# Altium PCB DD2088PoE_Daisy_Chain.PcbDoc (part 2 of 6) (continued)
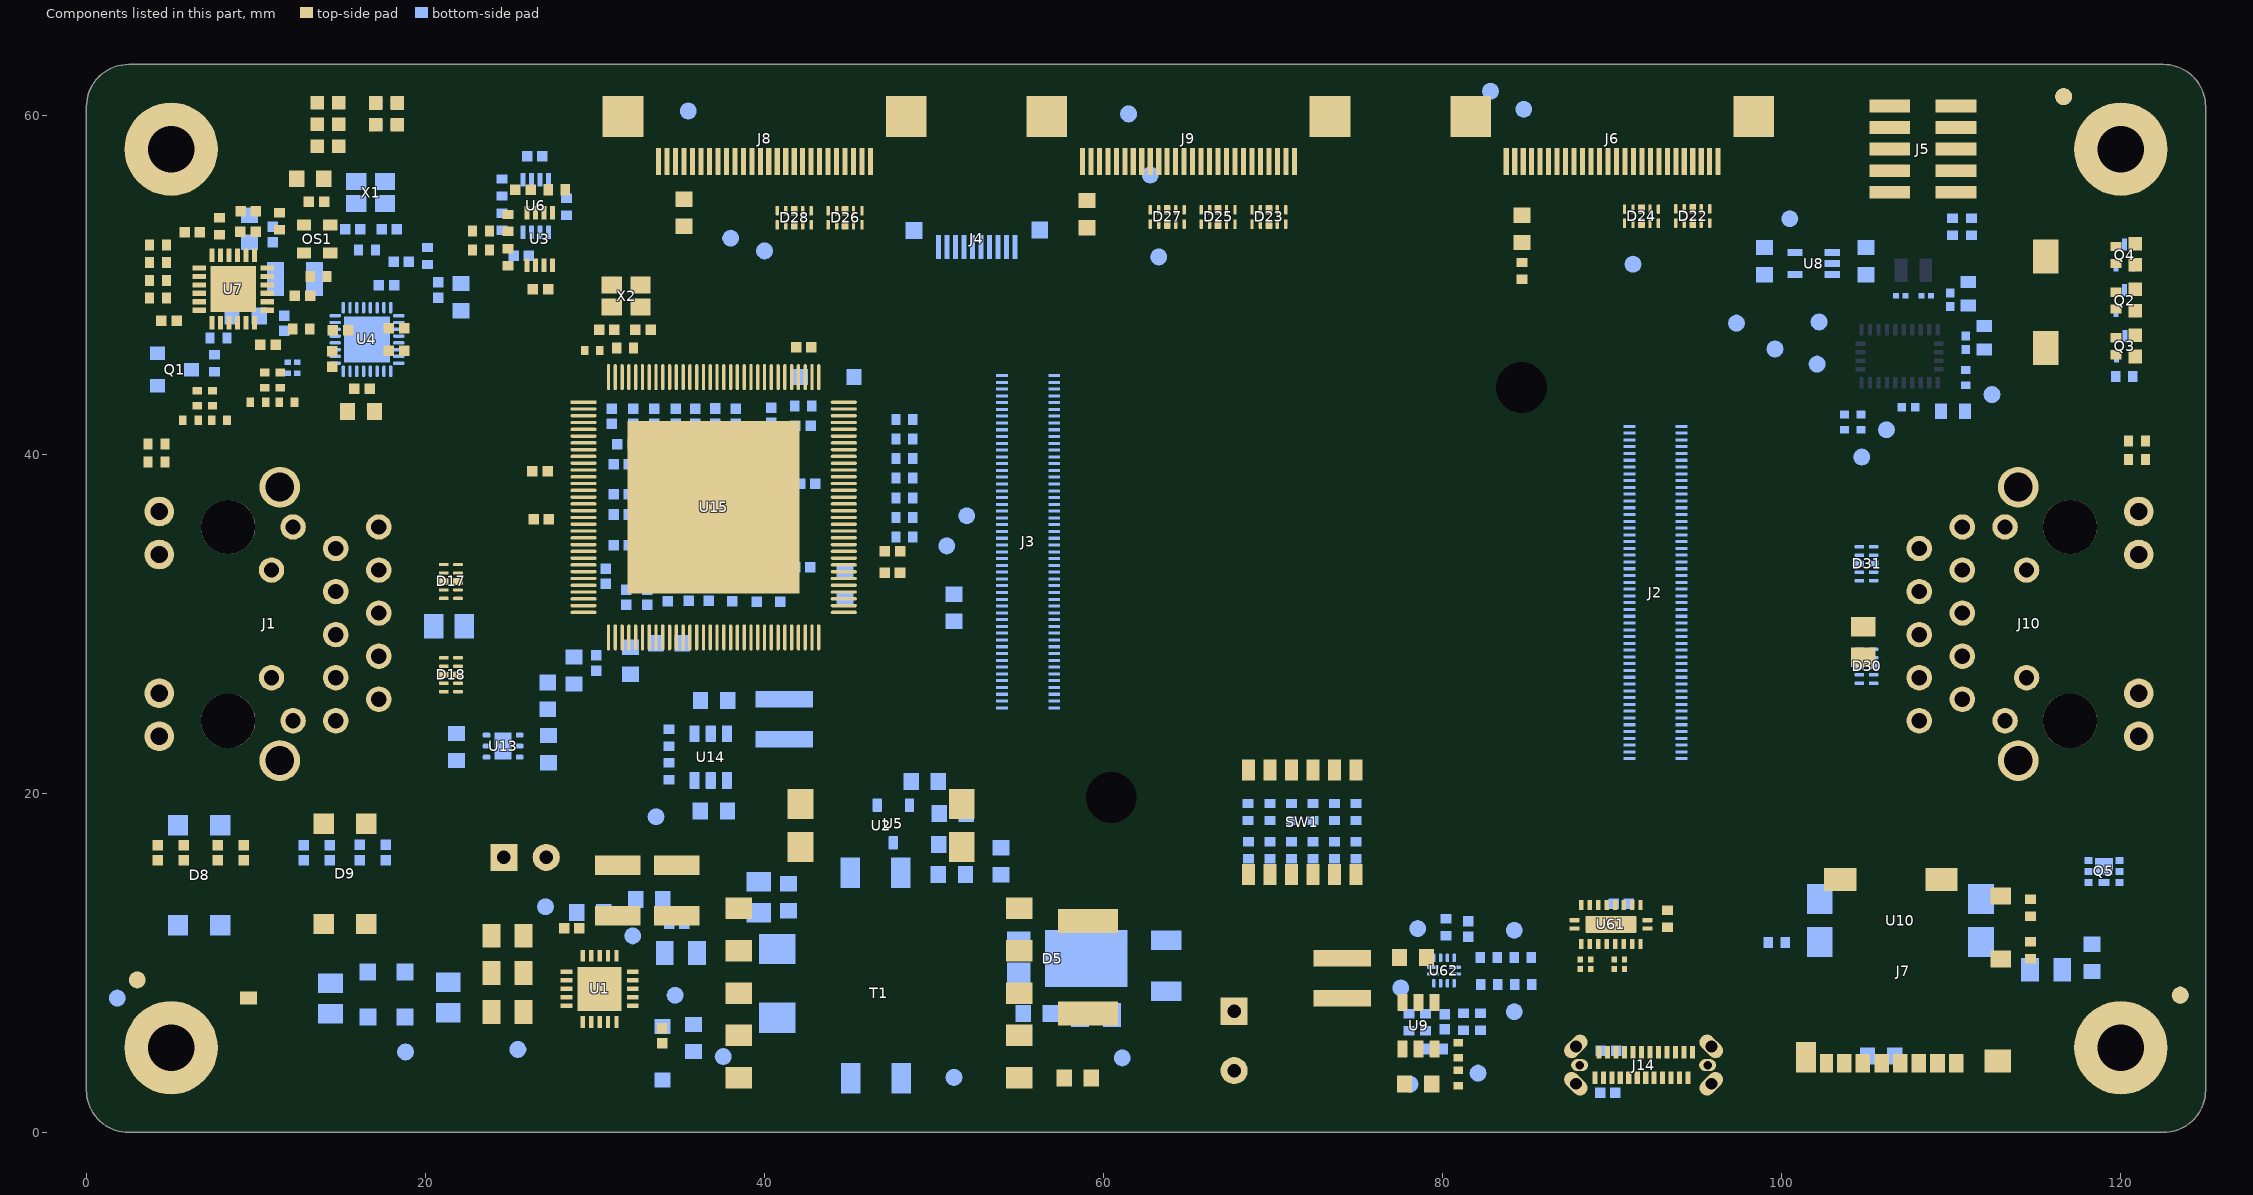
[diagram p6: the components of this part, seen from the top]
## Part data (continued)
D6: library part SML-D12U8WT86, "LED RED DIFFUSED 0603 SMD Red 620nm LED Indication - Discrete 2.2V 0603 (1608 Metric)", Case Code (Imperial)=0603, Case Code (Metric)=1608, Color=Red, Forward Current=20mA, Forward Voltage=2.2V, Lens Color=White,Clear,Diffused, Manufacturer 1=Rohm, Max Operating Temperature=85°C, Min Operating Temperature=-40°C, Package Quantity=1, Supplier Part Number 1=511-1580-1-ND, Case/Package=0603, ComponentLink1Description=https://datasheet.ciiva.com/11774/0900766b80df3ada-11774020.pdf?src-supplier=RSComponents, ComponentLink1URL=https://datasheet.ciiva.com/11774/0900766b80df3ada-11774020.pdf?src-supplier=RSComponents, ComponentLink2Description=https://datasheet.ciiva.com/2110/sml-d1-2110375.pdf?src-supplier=Digi-Key, ComponentLink2URL=https://datasheet.ciiva.com/2110/sml-d1-2110375.pdf?src-supplier=Digi-Key, ComponentLink3Description=https://datasheet.ciiva.com/2110/sml-d1-2110376.pdf?src-supplier=Digi-Key, ComponentLink3URL=https://datasheet.ciiva.com/2110/sml-d1-2110376.pdf?src-supplier=Digi-Key, ComponentLink4Description=https://datasheet.ciiva.com/2110/sml-d1-2110377.pdf?src-supplier=Digi-Key, ComponentLink4URL=https://datasheet.ciiva.com/2110/sml-d1-2110377.pdf?src-supplier=Digi-Key, ComponentLink5Description=https://datasheet.ciiva.com/9324/sml-d1-9324826.pdf?src-supplier=Avnet, ComponentLink5URL=https://datasheet.ciiva.com/9324/sml-d1-9324826.pdf?src-supplier=Avnet, ComponentLink6Description=https://datasheet.ciiva.com/17420/sml-d1-17420939.pdf?src-supplier=Avnet+Europe, ComponentLink6URL=https://datasheet.ciiva.com/17420/sml-d1-17420939.pdf?src-supplier=Avnet+Europe, Dominant Wavelength=620nm, Height=0.65mm, Illumination Color=Red, Lead Free="Lead Free", Length=1.6mm, Lens Style=Rectangular,Diffused,Colorless, Lens Transparency=Diffused, Luminous Intensity=63mcd, Manufacturer Part Number 1=SML-D12U8WT86, Mount="Surface Mount", Number of LEDs=1, Number of Pins=2, Packaging="Tape and Reel", Pricing 1="1=0.33000, 10=0.23900, 100=0.11340, 500=0.07560, 1000=0.05922 (USD)", Radiation Hardening=No, REACH SVHC="No SVHC", RoHS=Yes, Stock 1=63748, Supplier 1=Digi-Key, Test Current=20mA, Viewing Angle=160°, Wavelength=620nm, Width=0.8mm
D8 D9: "CD-HD0x Series Schottky Bridge Rectifier Diode 100V 4-Pin Surface Mount T/R", Average Rectified Current=1A, Manufacturer 1=Bourns, Max Operating Temperature=125°C, Min Operating Temperature=-55°C, Supplier Part Number 1=CD-HD01CT-ND, ComponentLink1Description=http://www.farnell.com/datasheets/2176057.pdf?src-supplier=Farnell, ComponentLink1URL=http://www.farnell.com/datasheets/2176057.pdf?src-supplier=Farnell, ComponentLink2Description=https://www.bourns.com/docs/Product-Datasheets/cd-hd0x.pdf?src-supplier=Digi-Key, ComponentLink2URL=https://www.bourns.com/docs/Product-Datasheets/cd-hd0x.pdf?src-supplier=Digi-Key, Manufacturer Part Number 1=CD-HD01, Mount="Surface Mount", Packaging="Tape and Reel", Pricing 1="1=0.67000, 10=0.57800, 100=0.43120, 500=0.33880, 1000=0.26180, 2000=0.23870 (USD)", RoHS=Yes, RoHS Compliant=Yes, Stock 1=5000, Supplier 1=Digi-Key, Supplier 2=Mouser, Supplier Part Number 2=652-CD-HD01
D17 D18 D22 D23 D24 D25 D26 D27 D28 D30 D31: "TVS DIODE 3.6V 8.8V 10USON 8.8V (Typ) Clamp 5A (8/20µs) Ipp Tvs Diode Surface Mount 10-USON (2.5x1)", Clamping Voltage=8.8V, Manufacturer 1="Texas Instruments", Max Operating Temperature=125°C, Min Breakdown Voltage=5.5V, Min Operating Temperature=-40°C, Operating Supply Voltage=3.6V, Peak Pulse Current=5A, Peak Pulse Power=17W, Power Line Protection=No, Supplier Part Number 1=296-43875-1-ND, ComponentLink1Description=http://www.ti.com/general/docs/lit/getliterature.tsp?genericPartNumber=TPD4E02B04&amp;&amp;fileType=pdf&src-supplier=Element14, ComponentLink1URL=http://www.ti.com/general/docs/lit/getliterature.tsp?genericPartNumber=TPD4E02B04&amp;&amp;fileType=pdf&src-supplier=Element14, ComponentLink2Description=http://www.ti.com/lit/ds/symlink/tpd4e02b04.pdf?src-supplier=Farnell, ComponentLink2URL=http://www.ti.com/lit/ds/symlink/tpd4e02b04.pdf?src-supplier=Farnell, ComponentLink3Description=http://www.ti.com/lit/ds/symlink/tpd4e02b04.pdf?src-supplier=Newark, ComponentLink3URL=http://www.ti.com/lit/ds/symlink/tpd4e02b04.pdf?src-supplier=Newark, ComponentLink4Description=http://www.ti.com/lit/ds/symlink/tpd4e02b04.pdf?src-supplier=Digi-Key, ComponentLink4URL=http://www.ti.com/lit/ds/symlink/tpd4e02b04.pdf?src-supplier=Digi-Key, Composition=Zener, Interface=USB,HDMI, Lead Free="Lead Free", Manufacturer Part Number 1=TPD4E02B04DQAR, Mount="Surface Mount", Number of Bidirectional Channels=4, Number of Channels=4, Number of Pins=10, Packaging="Cut Tape", Pricing 1="1=0.69000, 10=0.60800, 100=0.46650, 500=0.36874, 1000=0.29499 (USD)", REACH SVHC="No SVHC", Reverse Standoff Voltage=3.6V, RoHS=Yes, Stock 1=25615, Supplier 1=Digi-Key
FB1 FB4 FB5: library part BK1608HS800-T, "FERRITE BEAD 80 OHM 0603 1LN", Case Code (Imperial)=0603, Case Code (Metric)=1608, DC Resistance (DCR)=100mR, Frequency=100MHz, Manufacturer 1="Taiyo Yuden", Max Current Rating=600mA, Max Operating Temperature=125°C, Min Operating Temperature=-55°C, Package Quantity=1, Supplier Part Number 1=587-1875-1-ND, Tolerance=25%, Case/Package=0603, ComponentLink1Description=https://datasheet.ciiva.com/1011/bk1608hs800-t-ss-1011885.pdf?src-supplier=Digi-Key, ComponentLink1URL=https://datasheet.ciiva.com/1011/bk1608hs800-t-ss-1011885.pdf?src-supplier=Digi-Key, ComponentLink2Description=https://datasheet.ciiva.com/1011/mlci07-e-1011886.pdf?src-supplier=Digi-Key, ComponentLink2URL=https://datasheet.ciiva.com/1011/mlci07-e-1011886.pdf?src-supplier=Digi-Key, ComponentLink3Description=https://datasheet.ciiva.com/1011/mlci07-e-1011887.pdf?src-supplier=Digi-Key, ComponentLink3URL=https://datasheet.ciiva.com/1011/mlci07-e-1011887.pdf?src-supplier=Digi-Key, Core Material=Ferrite, Depth=0.95mm, Halogen Free="Halogen Free", Height=0.037inch, Impedance=80R, Lead Free="Lead Free", Length=0.063inch, Manufacturer Part Number 1=BK1608HS800-T, Max DC Current=600mA, Mount="Surface Mount", Number of Lines=1, Number of Pins=2, Packaging="Tape and Reel", Pricing 1="1=0.10000, 10=0.07900, 25=0.07200, 50=0.06480, 100=0.04760, 250=0.03460, 500=0.03170, 1000=0.02738 (USD)", REACH SVHC=Unknown, RoHS=Yes, Shielding=Shielded, Stock 1=6285, Supplier 1=Digi-Key, Supplier 2=Mouser, Supplier 3=Arrow, Supplier Part Number 2=963-BK1608HS800-T, Supplier Part Number 3=BK1608HS800-T, Termination=SMD/SMT, Test Frequency=100MHz, Width=0.8mm
FB2 FB3: library part 742792040, "FERRITE BEAD 600 OHM 0805 1LN", Case Code (Imperial)=0805, Case Code (Metric)=2012, Case/Package=SMD/SMT, Current Rating=2A, DC Resistance (DCR)=150mR, Inductance=5.6H, Manufacturer 1="Wurth Electronics", Max Operating Temperature=125°C, Min Operating Temperature=-55°C, Package Quantity=1, Supplier Part Number 1=70996355, Test Frequency=100MHz, Tolerance=25%, ComponentLink1Description=https://datasheet.ciiva.com/4940/742792040-80980-4940454.pdf?src-supplier=Mouser, ComponentLink1URL=https://datasheet.ciiva.com/4940/742792040-80980-4940454.pdf?src-supplier=Mouser, ComponentLink2Description=https://datasheet.ciiva.com/1560/742792040-1560864.pdf?src-supplier=Newark, ComponentLink2URL=https://datasheet.ciiva.com/1560/742792040-1560864.pdf?src-supplier=Newark, ComponentLink3Description=https://datasheet.ciiva.com/1013/742792040-1013539.pdf?src-supplier=Digi-Key, ComponentLink3URL=https://datasheet.ciiva.com/1013/742792040-1013539.pdf?src-supplier=Digi-Key, ComponentLink4Description=https://datasheet.ciiva.com/11799/0900766b80d2dd7f-11799667.pdf?src-supplier=RSComponents, ComponentLink4URL=https://datasheet.ciiva.com/11799/0900766b80d2dd7f-11799667.pdf?src-supplier=RSComponents, ComponentLink5Description=https://datasheet.ciiva.com/22711/1756153-22711349.pdf?src-supplier=Element14, ComponentLink5URL=https://datasheet.ciiva.com/22711/1756153-22711349.pdf?src-supplier=Element14, ComponentLink6Description=https://datasheet.ciiva.com/1013/742792040-1013541.pdf?src-supplier=Digi-Key, ComponentLink6URL=https://datasheet.ciiva.com/1013/742792040-1013541.pdf?src-supplier=Digi-Key, ComponentLink7Description=https://datasheet.ciiva.com/1013/742792040-1013540.pdf?src-supplier=Digi-Key, ComponentLink7URL=https://datasheet.ciiva.com/1013/742792040-1013540.pdf?src-supplier=Digi-Key, ComponentLink8Description=https://datasheet.ciiva.com/1126/1756153-1126571.pdf?src-supplier=Element14, ComponentLink8URL=https://datasheet.ciiva.com/1126/1756153-1126571.pdf?src-supplier=Element14, Core Material=Ferrite, Depth=1.2mm, Height=0.9mm, Impedance=600R, Lead Free="Lead Free", Length=2mm, Manufacturer Part Number 1=742792040, Material=Ferrite, Max Current Rating=2A, Max DC Current=2A, Mount="Surface Mount", Number of Lines=1, Packaging="Tape and Reel", Pricing 1="1=0.10100, 50=0.09600, 100=0.08600, 250=0.08100, 500=0.07600 (USD)", REACH SVHC=Unknown, RoHS=Yes, Stock 1=50, Supplier 1="Allied Electronics", Supplier 2=Mouser, Supplier 3=Newark, Supplier Part Number 2=710-742792040, Supplier Part Number 3=08P2371, Termination=SMD/SMT, Weight=0.000388oz, Width=0.047inch
FID1 FID2 FID3 FID4 FID5 FID6: library part FIDUCIAL, "Fiducial with various available footprints"
J1 J10: library part TRJG0926HENL, "CONN MAGJACK 1PORT 1000 BASET", Manufacturer 1=Trxcom, Manufacturer Part Number 1=TRJG0926HENL, Supplier 1=Trxcom, Supplier Part Number 1=TRJG0926HENL, System=Connector
J2: library part DF40HC(3.0)-100DS-0.4V_BW2098_A, "CONN RCPT 100POS 0.4MM SMD GOLD BW2098_A Receptacle", Manufacturer 1=Hirose, Manufacturer Part Number 1=DF40HC(3.0)-100DS-0.4V(58, Manufacturer Part Number 2=DF40HC(3.0)-100DS-0.4V(58), Package Quantity=1000, Supplier Part Number 1=798-DF40HC30100DS451, ComponentLink1Description=https://datasheet.ciiva.com/46636/ed-df40-20140305-46636517.pdf?src-supplier=Digi-Key, ComponentLink1URL=https://datasheet.ciiva.com/46636/ed-df40-20140305-46636517.pdf?src-supplier=Digi-Key, ComponentLink2Description=https://datasheet.ciiva.com/18562/ed-df40-20140305-18562189.pdf?src-supplier=Digi-Key, ComponentLink2URL=https://datasheet.ciiva.com/18562/ed-df40-20140305-18562189.pdf?src-supplier=Digi-Key, ComponentLink3Description=https://datasheet.ciiva.com/13559/ed-df40-20140305-13559540.pdf?src-supplier=Mouser, ComponentLink3URL=https://datasheet.ciiva.com/13559/ed-df40-20140305-13559540.pdf?src-supplier=Mouser, ComponentLink4Description=https://datasheet.ciiva.com/18562/ed-df40-20140305-18562462.pdf?src-supplier=Digi-Key, ComponentLink4URL=https://datasheet.ciiva.com/18562/ed-df40-20140305-18562462.pdf?src-supplier=Digi-Key, Connector Type=Receptacle, Contact Plating=Gold, Lead Free="Lead Free", Manufacturer 2=Hirose, Mount="Surface Mount", Number of Positions=100, Number of Rows=2, Packaging="Tape and Reel", Pitch=0.016inch, Pricing 1="1=2.54000, 10=2.26000, 25=2.07000, 50=2.07000, 100=1.98000, 250=1.79000, 500=1.65000, 1000=1.41000, 3000=1.32000, 6000=1.23000, 10000=1.23000 (USD)", Pricing 2="1=2.50000, 10=2.40000, 25=2.10000, 50=2.10000, 100=2.00000, 250=1.76000, 500=1.71000, 1000=1.45000, 2000=1.36000, 5000=1.31000, 10000=1.31000 (USD)", RoHS=Yes, Stock 1=2172, Stock 2=2078, Supplier 1=Mouser, Supplier 2=Mouser, Supplier Part Number 2=798-DF40HC30100DS458, System=Connector
J3: library part DF40HC(3.0)-100DS-0.4V_BW2098_B, "CONN RCPT 100POS 0.4MM SMD GOLD BW2098_B Receptacle", Manufacturer 1=Hirose, Manufacturer Part Number 1=DF40HC(3.0)-100DS-0.4V(58, Manufacturer Part Number 2=DF40HC(3.0)-100DS-0.4V(58), Package Quantity=1000, Supplier Part Number 1=798-DF40HC30100DS451, ComponentLink1Description=https://datasheet.ciiva.com/46636/ed-df40-20140305-46636517.pdf?src-supplier=Digi-Key, ComponentLink1URL=https://datasheet.ciiva.com/46636/ed-df40-20140305-46636517.pdf?src-supplier=Digi-Key, ComponentLink2Description=https://datasheet.ciiva.com/18562/ed-df40-20140305-18562189.pdf?src-supplier=Digi-Key, ComponentLink2URL=https://datasheet.ciiva.com/18562/ed-df40-20140305-18562189.pdf?src-supplier=Digi-Key, ComponentLink3Description=https://datasheet.ciiva.com/13559/ed-df40-20140305-13559540.pdf?src-supplier=Mouser, ComponentLink3URL=https://datasheet.ciiva.com/13559/ed-df40-20140305-13559540.pdf?src-supplier=Mouser, ComponentLink4Description=https://datasheet.ciiva.com/18562/ed-df40-20140305-18562462.pdf?src-supplier=Digi-Key, ComponentLink4URL=https://datasheet.ciiva.com/18562/ed-df40-20140305-18562462.pdf?src-supplier=Digi-Key, Connector Type=Receptacle, Contact Plating=Gold, Lead Free="Lead Free", Manufacturer 2=Hirose, Mount="Surface Mount", Number of Positions=100, Number of Rows=2, Packaging="Tape and Reel", Pitch=0.016inch, Pricing 1="1=2.54000, 10=2.26000, 25=2.07000, 50=2.07000, 100=1.98000, 250=1.79000, 500=1.65000, 1000=1.41000, 3000=1.32000, 6000=1.23000, 10000=1.23000 (USD)", Pricing 2="1=2.50000, 10=2.40000, 25=2.10000, 50=2.10000, 100=2.00000, 250=1.76000, 500=1.71000, 1000=1.45000, 2000=1.36000, 5000=1.31000, 10000=1.31000 (USD)", RoHS=Yes, Stock 1=2172, Stock 2=2078, Supplier 1=Mouser, Supplier 2=Mouser, Supplier Part Number 2=798-DF40HC30100DS458, System=Connector
J4: library part SFV10R-2STE1HLF, "CONN FFC TOP 10POS 0.50MM R/A", Contact Resistance=30mR, Current Rating=500mA, Flammability Rating="UL94 V-0", Housing Color=Black, Insulation Resistance=100MR, Manufacturer 1="Amphenol FCI", Max Operating Temperature=105°C, Max Voltage Rating (AC)=50V, Min Operating Temperature=-55°C, Package Quantity=1, Supplier Part Number 1=609-4306-1-ND, Actuator Material=Glass,Polyphenylene, ComponentLink1Description=https://datasheet.ciiva.com/672/10112793-672039.pdf?src-supplier=Digi-Key, ComponentLink1URL=https://datasheet.ciiva.com/672/10112793-672039.pdf?src-supplier=Digi-Key, ComponentLink2Description=https://datasheet.ciiva.com/672/10112793-672040.pdf?src-supplier=Digi-Key, ComponentLink2URL=https://datasheet.ciiva.com/672/10112793-672040.pdf?src-supplier=Digi-Key, ComponentLink3Description=https://datasheet.ciiva.com/672/10112793-672041.pdf?src-supplier=Digi-Key, ComponentLink3URL=https://datasheet.ciiva.com/672/10112793-672041.pdf?src-supplier=Digi-Key, ComponentLink4Description=https://datasheet.ciiva.com/10368/10112793-10368361.pdf?src-supplier=Avnet, ComponentLink4URL=https://datasheet.ciiva.com/10368/10112793-10368361.pdf?src-supplier=Avnet, Contact Location=Top, Contact Material=Bronze, Contact Plating=Tin, Depth=4.9mm, Gender=Female, Housing Material=Polyamide, Lead Free="Lead Free", Length=10.5mm, Manufacturer Part Number 1=SFV10R-2STE1HLF, Max Voltage Rating (DC)=50V, Mount="Surface Mount", Number of Contacts=10, Number of Positions=10, Number of Rows=1, Orientation="Right Angle", Packaging="Tape and Reel", Pitch=0.5mm, Pricing 1="1=0.63000, 10=0.59300, 25=0.53360, 50=0.47420, 100=0.45440, 250=0.41488, 500=0.39512, 1000=0.32597 (USD)", Radiation Hardening=No, RoHS=Yes, Stock 1=78727, Supplier 1=Digi-Key, Supplier 2=Mouser, Supplier Part Number 2=649-SFV10R-2STE1HLF, System=Connector, Termination=Solder, Voltage Rating=50V, Wire/Cable Type=Straight
J5: "CONN HEADER SMD 10POS 1.27MM", Color=Black, Contact Resistance=30mR, Manufacturer 1="Amphenol FCI", Max Operating Temperature=85°C, Max Voltage Rating (AC)=125V, Min Operating Temperature=-40°C, Package Quantity=93, Supplier Part Number 1=609-6529-ND, ComponentLink1Description=https://datasheet.ciiva.com/18659/20021121-18659066.pdf?src-supplier=Digi-Key, ComponentLink1URL=https://datasheet.ciiva.com/18659/20021121-18659066.pdf?src-supplier=Digi-Key, ComponentLink2Description=https://datasheet.ciiva.com/10033/20021121-10033582.pdf?src-supplier=Avnet, ComponentLink2URL=https://datasheet.ciiva.com/10033/20021121-10033582.pdf?src-supplier=Avnet, Connector Type="Male Pin", Contact Material="Copper Alloy", Contact Mating Length=0.12inch, Contact Plating=Gold, Depth=3.4mm, Housing Color=Black, Housing Material=Thermoplastic, Length=6.35mm, Manufacturer Part Number 1=20021121-00010T1LF, Mount="Surface Mount", Number of Contacts=10, Number of Positions=10, Number of Rows=2, Orientation=Straight, Packaging=Rail/Tube, Pitch=1.27mm, Pricing 1="1=0.77000, 10=0.71800, 100=0.55040, 500=0.47860, 1000=0.39485, 5000=0.34699, 10000=0.32306 (USD)", RoHS=Yes, Row Spacing=0.05inch, Stock 1=1465, Supplier 1=Digi-Key, Supplier 2=Mouser, Supplier 3=TTI, Supplier Part Number 2=649-200211210010T1LF, Supplier Part Number 3=20021121-00010T1LF, Termination=Solder
J6 J8 J9: library part F32R-1A7H1-11026, "26 Position FFC, FPC Connector Contacts, Bottom 0.020\" (0.50mm) Surface Mount, Right Angle", Current Rating=500mA, Flammability Rating="UL94 V-0", Manufacturer 1="Amphenol ICC (FCI)", Max Operating Temperature=105°C, Min Operating Temperature=-40°C, Supplier Part Number 1=609-F32R-1A7H1-11026CT-ND, Voltage Rating=50V, Category=Connectors, ComponentLink1Description=https://cdn.amphenol-icc.com/media/wysiwyg/files/drawing/f32r-f32j.pdf, ComponentLink1URL=https://cdn.amphenol-icc.com/media/wysiwyg/files/drawing/f32r-f32j.pdf, Contact Material=Bronze, Contact Plating=Tin, Manufacturer Part Number 1=F32R-1A7H1-11026, Mount="Surface Mount", Number of Positions=26, Packaging="Tape and Reel", Pitch=0.02inch, Pricing 1="1=0.77, 10=0.721, 100=0.5529, 500=0.4808 (USD)", RoHS=Yes, Stock 1=1709, Supplier 1=Digi-Key, Termination=Solder
J7: library part 104031-0811, "CONN MICRO SD CARD PUSH-PULL R/A", Manufacturer 1=Molex, Supplier Part Number 1=WM6357CT-ND, Manufacturer Part Number 1=104031-0811, Pricing 1="1=2.02000, 10=1.82900, 25=1.71680, 50=1.64220, 100=1.56760, 250=1.41828, 500=1.30630, 1000=1.11969 (USD)", RoHS=No, Stock 1=19400, Supplier 1=Digi-Key, Supplier 2=Newark, Supplier 3=Mouser, Supplier Part Number 2=99R5410, Supplier Part Number 3=538-104031-0811
J14: library part CX80B1-24P, "CONN RCPT USB3.1 TYPEC 24POS SMD Vertical", Case/Package=0101, Current Rating=1.25A, Flammability Rating="UL94 V-0", Insulation Color=Black, Manufacturer 1="Hirose Electric Co Ltd", Max Operating Temperature=80°C, Min Operating Temperature=-30°C, Supplier Part Number 1=26-CX80B1-24PCT-ND, ComponentLink1Description="Product page", ComponentLink1URL=https://www.jae.com/en/connectors/series/detail/product/id=66513, ComponentLink2Description=Digikey, ComponentLink2URL=https://www.digikey.com/en/products/detail/jae-electronics/DX07S024WJ3R400/6594044, Connector Type=USB, Contact Material="Copper Alloy", Contact Plating=Gold, Features=Shielded, Gender=Receptacle, Housing Material=Thermoplastic, Length=8.94mm, Manufacturer Part Number 1=CX80B1-24P, Mating Cycles=10000, Mount="Surface Mount,Through Hole,Vertical", Number of Contacts=24, Number of Pins=24, Number of Ports=1, Number of Terminals=24, Orientation=Vertical, Packaging="Tape and Reel", Pitch=0.5mm, Pricing 1="1=2.15000, 10=1.94900, 25=1.82960, 50=1.75000, 100=1.67050, 250=1.51140, 500=1.39208 (USD)", REACH SVHC=Unknown, RoHS=Yes, Shielding=Shielded, Stock 1=939, Supplier 1=Digi-Key, Termination=Solder, USB Standard="USB 3.1"
L1: library part DO1608C-102ML, "IND POWER WIREWOUND 1uH 20% 100KHz FERRITE 2.7A", Case/Package=SMD/SMT, DC Resistance (DCR)=50mR, Inductance=1uH, Inductance Tolerance=20%, Manufacturer 1=Coilcraft, Manufacturer Part Number 1=DO1608C-102MLC, Max DC Current=2.7A, Max Operating Temperature=85°C, Min Operating Temperature=-40°C, Saturation Current=2.9A, Self Resonant Frequency=130MHz, Test Frequency=100kHz, ComponentLink1Description=https://datasheet.ciiva.com/22698/1681900-22698293.pdf?src-supplier=Element14, ComponentLink1URL=https://datasheet.ciiva.com/22698/1681900-22698293.pdf?src-supplier=Element14, ComponentLink2Description=https://datasheet.ciiva.com/22623/1681900-22623607.pdf?src-supplier=Element14, ComponentLink2URL=https://datasheet.ciiva.com/22623/1681900-22623607.pdf?src-supplier=Element14, ComponentLink3Description=https://datasheet.ciiva.com/13142/do1608c-13142540.pdf?src-supplier=Mouser, ComponentLink3URL=https://datasheet.ciiva.com/13142/do1608c-13142540.pdf?src-supplier=Mouser, Core Material=Ferrite, Height=2.92mm, Lead Free="Contains Lead", Length=6.6mm, Mount="Surface Mount", Packaging="Tape and Reel", Pricing 1="1=0.88000, 750=0.64000, 1500=0.49000, 3000=0.38000, 6000=0.31000 (USD)", REACH SVHC="No SVHC", RMS Current (Irms)=2.7A, RoHS=Yes, Stock 1=27185, Supplier 1="Coilcraft Direct", Supplier 2=Mouser, Supplier Part Number 1=DO1608C-102MLC, Supplier Part Number 2=994-DO1608C-102MLC, Termination=SMD/SMT, Tolerance=20%, Width=4.45mm
L2: library part LQH32NH2R2J23L, "FIXED IND 2.2UH 610MA 97MOHM SMD", Case/Package=Nonstandard, Current Rating=610mA, DC Resistance (DCR)=97mR, Inductance=2.2uH, Manufacturer 1=Murata, Max Operating Temperature=125°C, Min Operating Temperature=-40°C, Ratings=AEC-Q200, Self Resonant Frequency=75MHz, Supplier Part Number 1=490-17367-1-ND, Test Frequency=1MHz, Tolerance=5%, ComponentLink1Description=http://search.murata.co.jp/Ceramy/image/img/P02/JELF243A-9146.pdf?src-supplier=Digi-Key, ComponentLink1URL=http://search.murata.co.jp/Ceramy/image/img/P02/JELF243A-9146.pdf?src-supplier=Digi-Key, Composition=Wirewound, Core Material=Ferrite, Manufacturer Part Number 1=LQH32NH2R2J23L, Mount="Surface Mount", Packaging="Tape and Reel", Pricing 1="1=0.42000, 10=0.37400, 100=0.25740, 500=0.21998, 1000=0.16850 (USD)", RoHS=No, Shielding=Unshielded, Stock 1=1873, Supplier 1=Digi-Key, Supplier 2=Mouser, Supplier 3=Arrow, Supplier Part Number 2=81-LQH32NH2R2J23L, Supplier Part Number 3=LQH32NH2R2J23L
L3 L4: "INDUCTOR, 2.2UH, 5.5A,20%,52MHZ, REEL", Case/Package=SMD/SMT, DC Resistance (DCR)=38.7mR, Inductance=2.2uH, Inductance Tolerance=20%, Manufacturer 1=Coilcraft, Max DC Current=5.5A, Max Operating Temperature=125°C, Min Operating Temperature=-40°C, Package Quantity=1000, Saturation Current=5.6A, Self Resonant Frequency=52MHz, Supplier Part Number 1=994-XAL4020-222MEC, Test Frequency=100kHz, Category="Fixed Inductors", ComponentLink1Description=https://datasheet.ciiva.com/13277/xal4000-270751-13277338.pdf?src-supplier=Mouser, ComponentLink1URL=https://datasheet.ciiva.com/13277/xal4000-270751-13277338.pdf?src-supplier=Mouser, ComponentLink2Description=https://datasheet.ciiva.com/22680/1681987-22680732.pdf?src-supplier=Element14, ComponentLink2URL=https://datasheet.ciiva.com/22680/1681987-22680732.pdf?src-supplier=Element14, ComponentLink3Description=https://datasheet.ciiva.com/22680/1681987-22680733.pdf?src-supplier=Element14, ComponentLink3URL=https://datasheet.ciiva.com/22680/1681987-22680733.pdf?src-supplier=Element14, Core Material=Composite, Height=2.1mm, Lead Free="Contains Lead", Length=4.3mm, Manufacturer Part Number 1=XAL4020-222MEC, Mount="Surface Mount", Packaging="Tape and Reel", Pricing 1="1=1.68000, 100=1.37000, 250=1.03000, 500=0.62000, 1000=0.48000, 3000=0.41000 (USD)", REACH SVHC=Unknown, RMS Current (Irms)=5.5A, RoHS=Yes, RoHS Compliant=Yes, Series=XAL4020, Shielding=Shielded, Stock 1=45163, Supplier 1=Mouser, Termination=SMD/SMT, Tolerance=20%, Width=4.3mm
MH1 MH2: library part 9774030243R, "MP ROUND STANDOFF M2X0.4 STEEL 3MM", Manufacturer 1="Wurth Electronics", Supplier Part Number 1=732-7085-1-ND, ComponentLink1Description=http://www.mouser.com/ds/2/445/9774030243R-611455.pdf?src-supplier=Mouser, ComponentLink1URL=http://www.mouser.com/ds/2/445/9774030243R-611455.pdf?src-supplier=Mouser, ComponentLink2Description=http://www.farnell.com/datasheets/1960368.pdf?src-supplier=Farnell, ComponentLink2URL=http://www.farnell.com/datasheets/1960368.pdf?src-supplier=Farnell, ComponentLink3Description=https://katalog.we-online.de/em/datasheet/9774030243R.pdf?src-supplier=Digi-Key, ComponentLink3URL=https://katalog.we-online.de/em/datasheet/9774030243R.pdf?src-supplier=Digi-Key, ComponentLink4Description=http://www.farnell.com/datasheets/1960368.pdf?src-supplier=Newark, ComponentLink4URL=http://www.farnell.com/datasheets/1960368.pdf?src-supplier=Newark, ComponentLink5Description=http://www.farnell.com/datasheets/1960368.pdf?src-supplier=Element14, ComponentLink5URL=http://www.farnell.com/datasheets/1960368.pdf?src-supplier=Element14, Length=0.173inch, Manufacturer Part Number 1=9774030243R, Material=Steel, Outside Diameter=0.171inch, Plating=Tin, Pricing 1="1=0.95000, 10=0.91800, 50=0.79500, 100=0.73900 (USD)", REACH SVHC=Unknown, RoHS=Yes, Stock 1=20568, Supplier 1=Digi-Key, Supplier 2=Mouser, Supplier 3=Element14, Supplier Part Number 2=710-9774030243R, Supplier Part Number 3=2497599, Threaded/Unthreaded=Threaded
MP1 MP2 MP3 MP4: "=CurrentFootprint", B - Value="Not a Part", A - Level=0
NT1: library part Net_Tie, "Net tie Top/Bottom layer"
OS1: library part ASDMB-25.000MHZ-LC-T, "MEMS OSC XO 25.0000MHZ LVCMOS", Case/Package=SMD/SMT, Frequency=25MHz, Frequency Stability=50ppm, Load Capacitance=15pF, Manufacturer 1=Abracon, Max Operating Temperature=85°C, Max Supply Current=16mA, Max Supply Voltage=4V, Min Operating Temperature=-40°C, Min Supply Voltage=-300mV, Operating Supply Voltage=3.3V, Supplier Part Number 1=535-11730-1-ND, Category=Oscillators, ComponentLink1Description=https://datasheet.ciiva.com/868/asdmb-868249.pdf?src-supplier=Digi-Key, ComponentLink1URL=https://datasheet.ciiva.com/868/asdmb-868249.pdf?src-supplier=Digi-Key, ComponentLink2Description=https://datasheet.ciiva.com/868/asdmb-868250.pdf?src-supplier=Digi-Key, ComponentLink2URL=https://datasheet.ciiva.com/868/asdmb-868250.pdf?src-supplier=Digi-Key, ComponentLink3Description=https://datasheet.ciiva.com/868/asdmb-868251.pdf?src-supplier=Digi-Key, ComponentLink3URL=https://datasheet.ciiva.com/868/asdmb-868251.pdf?src-supplier=Digi-Key, ComponentLink4Description=https://datasheet.ciiva.com/13166/asdmb-29928-13166571.pdf?src-supplier=Mouser, ComponentLink4URL=https://datasheet.ciiva.com/13166/asdmb-29928-13166571.pdf?src-supplier=Mouser, Height=0.035inch, Lead Free="Lead Free", Length=0.098inch, Manufacturer Part Number 1=ASDMB-25.000MHZ-LC-T, Mount="Surface Mount", Number of Pins=4, Packaging="Tape and Reel", Pricing 1="1=2.09000, 10=1.99800, 50=1.95200, 100=1.67310, 500=1.62662 (USD)", RoHS=Yes, Stock 1=3088, Supplier 1=Digi-Key, Supplier 2=Newark, Supplier 3=Mouser, Supplier Part Number 2=56AC7555, Supplier Part Number 3=815-ASDMB-25MHZ-LC, Termination=SMD/SMT, Width=0.079inch
Q1: library part DDTC114YCA-7-F, "TRANS PREBIAS NPN 200MW SOT23-3", Case/Package=SOT-23-3, Collector Emitter Breakdown Voltage=50V, Continuous Collector Current=100mA, Manufacturer 1=Diodes, Max Operating Temperature=150°C, Max Power Dissipation=200mW, Min Operating Temperature=-55°C, Package Quantity=3000, Supplier Part Number 1=DDTC114YCA-FDICT-ND, Transition Frequency=250MHz, Category=BJTs, Collector Emitter Voltage (VCEO)=50V, ComponentLink1Description=https://datasheet.ciiva.com/16615/ds30330-16615737.pdf?src-supplier=Avnet+Europe, ComponentLink1URL=https://datasheet.ciiva.com/16615/ds30330-16615737.pdf?src-supplier=Avnet+Europe, Current Rating=100mA, Element Configuration=Single, Height=1mm, hFE Min=68, Lead Free="Lead Free", Length=3.05mm, Manufacturer Part Number 1=DDTC114YCA-7-F, Max Breakdown Voltage=50V, Max Collector Current=100mA, Max Output Current=100mA, Mount="Surface Mount", Number of Pins=3, Operating Supply Voltage=50V, Packaging="Tape and Reel", Polarity=NPN, Pricing 1="1=0.22000, 10=0.17900, 100=0.07320, 500=0.06106, 1000=0.04243 (USD)", Radiation Hardening=No, RoHS=Yes, Stock 1=18465, Supplier 1=Digi-Key, Supplier 2=Mouser, Supplier 3=Arrow, Supplier Part Number 2=621-DDTC114YCA-F, Supplier Part Number 3=DDTC114YCA-7-F, Voltage Rating (DC)=50V, Weight=0.000282oz, Width=1.4mm
Q2 Q3 Q4: "MOSFET N-CH 20V 0.2A EMT3", Case/Package=SOT-89, Continuous Drain Current (ID)=200mA, Drain to Source Voltage (Vdss)=20V, Input Capacitance=25pF, Manufacturer 1=Rohm, Max Power Dissipation=150mW, Supplier Part Number 1=RE1C002UNTCLCT-ND, ComponentLink1Description=http://www.mouser.com/ds/2/348/re1c002untcl-e-1018231.pdf?src-supplier=Mouser, ComponentLink1URL=http://www.mouser.com/ds/2/348/re1c002untcl-e-1018231.pdf?src-supplier=Mouser, ComponentLink2Description=http://rohmfs.rohm.com/en/techdata_basic/transistor/taping/EMT3_TL_taping.pdf?src-supplier=Digi-Key, ComponentLink2URL=http://rohmfs.rohm.com/en/techdata_basic/transistor/taping/EMT3_TL_taping.pdf?src-supplier=Digi-Key, ComponentLink3Description=http://rohmfs.rohm.com/en/products/databook/datasheet/discrete/transistor/mosfet/re1c002un.pdf?src-supplier=Avnet, ComponentLink3URL=http://rohmfs.rohm.com/en/products/databook/datasheet/discrete/transistor/mosfet/re1c002un.pdf?src-supplier=Avnet, ComponentLink4Description=https://www.rohm.com/datasheet/RE1C002UN/re1c002untcl-e?src-supplier=Digi-Key, ComponentLink4URL=https://www.rohm.com/datasheet/RE1C002UN/re1c002untcl-e?src-supplier=Digi-Key, ComponentLink5Description=http://www.farnell.com/datasheets/2704376.pdf?src-supplier=Newark, ComponentLink5URL=http://www.farnell.com/datasheets/2704376.pdf?src-supplier=Newark, ComponentLink6Description=http://www.farnell.com/datasheets/2704376.pdf?src-supplier=Farnell, ComponentLink6URL=http://www.farnell.com/datasheets/2704376.pdf?src-supplier=Farnell, ComponentLink7Description=http://www.farnell.com/datasheets/2704376.pdf?src-supplier=Element14, ComponentLink7URL=http://www.farnell.com/datasheets/2704376.pdf?src-supplier=Element14, Lead Free="Lead Free", Manufacturer Part Number 1=RE1C002UNTCL, Mount="Surface Mount", Packaging="Tape and Reel", Pricing 1="1=0.20000, 10=0.18200, 100=0.09930, 500=0.06112, 1000=0.04167 (USD)", Rds On Max=1.2R, RoHS=Yes, Stock 1=868886, Supplier 1=Digi-Key
Q5: "ON SEMICONDUCTOR - FDMA86265P - MOSFET-Transistor, p-Kanal, -1 A, -150 V, 0.86 ohm, -10 V, -3.2 V", Continuous Drain Current (ID)=1A, Drain to Source Resistance=860mR, Drain to Source Voltage (Vdss)=150V, Gate to Source Voltage (Vgs)=25V, Input Capacitance=210pF, Manufacturer 1="ON Semiconductor / Fairchild", Max Operating Temperature=150°C, Max Power Dissipation=900mW, Min Operating Temperature=-55°C, Package Quantity=3000, Supplier Part Number 1=FDMA86265PCT-ND, Category=MOSFETs, ComponentLink1Description=http://www.farnell.com/datasheets/2572513.pdf?src-supplier=Farnell, ComponentLink1URL=http://www.farnell.com/datasheets/2572513.pdf?src-supplier=Farnell, ComponentLink2Description=http://www.mouser.com/ds/2/149/FDMA86265P-1007518.pdf?src-supplier=Mouser, ComponentLink2URL=http://www.mouser.com/ds/2/149/FDMA86265P-1007518.pdf?src-supplier=Mouser, ComponentLink3Description=https://www.fairchildsemi.com/datasheets/FD/FDMA86265P.pdf?src-supplier=Avnet, ComponentLink3URL=https://www.fairchildsemi.com/datasheets/FD/FDMA86265P.pdf?src-supplier=Avnet, ComponentLink4Description=http://www.farnell.com/datasheets/2572513.pdf?src-supplier=Newark, ComponentLink4URL=http://www.farnell.com/datasheets/2572513.pdf?src-supplier=Newark, ComponentLink5Description=https://www.fairchildsemi.com/datasheets/FD/FDMA86265P.pdf?src-supplier=Digi-Key, ComponentLink5URL=https://www.fairchildsemi.com/datasheets/FD/FDMA86265P.pdf?src-supplier=Digi-Key, Element Configuration=Single, Fall Time=6.4ns, Manufacturer Part Number 1=FDMA86265P, Mount="Surface Mount", Number of Channels=1, Number of Pins=6, Packaging="Tape and Reel", Pricing 1="1=0.95000, 10=0.83500, 25=0.78440, 100=0.64010, 500=0.50600, 1000=0.40480 (USD)", Rds On Max=1.2R, Rise Time=2.2ns, RoHS=Yes, RoHS Compliant=Yes, Stock 1=1316, Supplier 1=Digi-Key, Supplier 2=Mouser, Supplier Part Number 2=512-FDMA86265P, Turn-Off Delay Time=8ns, Turn-On Delay Time=5.8ns, Weight=0.03g
R1 R6 R19 R20 R21 R22 R23 R25 R26 R28 R29 R30 R31 R32 R35 R37 R38 R39 R44 R45 R46 R49 R50 R62 R63 R82 R83 R89 R183 R185 R186 R213 R214 RZ28 RZ29: library part RC0402FR-1310KL, "RES SMD 10K OHM 1% 0402 1/16W Chip Resistor, 0402 [1005 Metric], 10 kohm, RC Series, 50 V, Thick Film, 62.5 mW", Case Code (Imperial)=0402, Case Code (Metric)=1005, Manufacturer 1=Yageo, Max Operating Temperature=155°C, Min Operating Temperature=-55°C, Power Rating=62.5mW, Resistance=10kR, Supplier Part Number 1=67R9960, Temperature Coefficient=100ppm/°C, Tolerance=1%, Voltage Rating=50V, Case/Package=0402, ComponentLink1Description=https://datasheet.ciiva.com/16940/pyu-rc0402-51-rohs-l-6-16940293.pdf?src-supplier=Avnet+Europe, ComponentLink1URL=https://datasheet.ciiva.com/16940/pyu-rc0402-51-rohs-l-6-16940293.pdf?src-supplier=Avnet+Europe, ComponentLink2Description=https://datasheet.ciiva.com/28386/pyu-rc0402-51-rohs-l-6-28386855.pdf?src-supplier=Avnet+Europe, ComponentLink2URL=https://datasheet.ciiva.com/28386/pyu-rc0402-51-rohs-l-6-28386855.pdf?src-supplier=Avnet+Europe, ComponentLink3Description=https://datasheet.ciiva.com/16740/pyu-rc0402-51-rohs-l-6-r-16740602.pdf?src-supplier=Future+Electronics, ComponentLink3URL=https://datasheet.ciiva.com/16740/pyu-rc0402-51-rohs-l-6-r-16740602.pdf?src-supplier=Future+Electronics, ComponentLink4Description=https://datasheet.ciiva.com/8891/pyu-rc0402-51-rohs-l-6-8891339.pdf?src-supplier=Avnet, ComponentLink4URL=https://datasheet.ciiva.com/8891/pyu-rc0402-51-rohs-l-6-8891339.pdf?src-supplier=Avnet, ComponentLink5Description=https://datasheet.ciiva.com/5557/pyu-rc0402-51-rohs-l-6-r-5557997.pdf?src-supplier=Mouser, ComponentLink5URL=https://datasheet.ciiva.com/5557/pyu-rc0402-51-rohs-l-6-r-5557997.pdf?src-supplier=Mouser, ComponentLink6Description=https://datasheet.ciiva.com/7983/1018594-7983533.pdf?src-supplier=Element14, ComponentLink6URL=https://datasheet.ciiva.com/7983/1018594-7983533.pdf?src-supplier=Element14, Composition="Thick Film", Contact Plating=Tin,Matte,Lead, Depth=0.5mm, Lead Free="Lead Free", Length=1mm, Manufacturer Part Number 1=RC0402FR-1310KL, Military Standard=Not, Number of Pins=2, Number of Terminations=2, Packaging="Tape and Reel", Pricing 1="1=0.10000, 25=0.01200, 100=0.00400, 250=0.00400, 500=0.00300, 1000=0.00300 (USD)", Radiation Hardening=No, REACH SVHC="No SVHC", RoHS=Yes, Stock 1=62239, Supplier 1=Newark, Termination=SMD/SMT, Voltage Rating (DC)=50V, Working Voltage=50V
  R6 R25 R26 R28 R29 R30 R35 R37 R38 R39 R44 R45 R46 R49 R50 R82 R83: Supplier 2="Future Electronics", Supplier 3=Mouser, Supplier 4=Element14, Supplier Part Number 2=RC0402FR-1310KL-CUTT, Supplier Part Number 3=603-RC0402FR-1310KL, Supplier Part Number 4=1799235
R2 R7 R9 R16 R53 R54 R55 R56 R60 R61 R90 R91 R92 R93 R94 R95 R96: library part RC0402FR-071KL, "RES SMD 1K OHM 1% 1/16W 0402 1 kOhms ±1% 0.063W, 1/16W Chip Resistor 0402 (1005 Metric) Moisture Resistant Thick Film", Case Code (Imperial)=0402, Case Code (Metric)=1005, Manufacturer 1=Yageo, Max Operating Temperature=155°C, Min Operating Temperature=-55°C, Power Rating=62.5mW, Resistance=1kR, Supplier Part Number 1=311-1.00KLRCT-ND, Temperature Coefficient=100ppm/°C, Tolerance=1%, Voltage Rating=50V, Case/Package=0402, ComponentLink1Description=https://datasheet.ciiva.com/11819/0900766b80c66297-11819477.pdf?src-supplier=RSComponents, ComponentLink1URL=https://datasheet.ciiva.com/11819/0900766b80c66297-11819477.pdf?src-supplier=RSComponents, ComponentLink2Description=https://datasheet.ciiva.com/12666/pyu-rc0402-51-rohs-l-6-r-12666741.pdf?src-supplier=Mouser, ComponentLink2URL=https://datasheet.ciiva.com/12666/pyu-rc0402-51-rohs-l-6-r-12666741.pdf?src-supplier=Mouser, ComponentLink3Description=https://datasheet.ciiva.com/17063/pyu-rc0402-51-rohs-l-6-r-17063193.pdf?src-supplier=Future+Electronics, ComponentLink3URL=https://datasheet.ciiva.com/17063/pyu-rc0402-51-rohs-l-6-r-17063193.pdf?src-supplier=Future+Electronics, ComponentLink4Description=https://datasheet.ciiva.com/22747/1018594-22747513.pdf?src-supplier=Element14, ComponentLink4URL=https://datasheet.ciiva.com/22747/1018594-22747513.pdf?src-supplier=Element14, ComponentLink5Description=https://datasheet.ciiva.com/7849/1018594-7849869.pdf?src-supplier=Element14, ComponentLink5URL=https://datasheet.ciiva.com/7849/1018594-7849869.pdf?src-supplier=Element14, ComponentLink6Description=https://datasheet.ciiva.com/7983/1018594-7983502.pdf?src-supplier=Element14, ComponentLink6URL=https://datasheet.ciiva.com/7983/1018594-7983502.pdf?src-supplier=Element14, ComponentLink7Description=https://datasheet.ciiva.com/7849/1018594-7849871.pdf?src-supplier=Element14, ComponentLink7URL=https://datasheet.ciiva.com/7849/1018594-7849871.pdf?src-supplier=Element14, Composition="Thick Film", Depth=0.5mm, Height=0.32mm, Lead Free="Lead Free", Length=1mm, Manufacturer Part Number 1=RC0402FR-071KL, Military Standard=Not, Number of Pins=2, Packaging="Tape and Reel", Pricing 1="1=0.10000, 10=0.01600, 100=0.00670, 1000=0.00301, 2500=0.00261, 5000=0.00215 (USD)", REACH SVHC=Unknown, RoHS=Yes, Stock 1=60695854, Supplier 1=Digi-Key, Termination=SMD/SMT, Voltage Rating (DC)=50V, Width=0.5mm
R3: library part CRCW060310R0FKEA, "RES SMD 10 OHM 1% 1/10W 0603", Case Code (Imperial)=0603, Case Code (Metric)=1608, Manufacturer 1=Vishay, Max Operating Temperature=155°C, Max Power Dissipation=100mW, Min Operating Temperature=-55°C, Package Quantity=10, Resistance=10R, Supplier Part Number 1=541-10.0HDKR-ND, Temperature Coefficient=100ppm/°C, Tolerance=1%, Voltage Rating=75V, Case/Package=0603, ComponentLink1Description=https://datasheet.ciiva.com/11808/0900766b80d98afc-11808660.pdf?src-supplier=RSComponents, ComponentLink1URL=https://datasheet.ciiva.com/11808/0900766b80d98afc-11808660.pdf?src-supplier=RSComponents, ComponentLink2Description=https://datasheet.ciiva.com/3256/dcrcwe3-3256955.pdf?src-supplier=Avnet, ComponentLink2URL=https://datasheet.ciiva.com/3256/dcrcwe3-3256955.pdf?src-supplier=Avnet, ComponentLink3Description=https://datasheet.ciiva.com/5547/dcrcwe3-109170-5547342.pdf?src-supplier=Mouser, ComponentLink3URL=https://datasheet.ciiva.com/5547/dcrcwe3-109170-5547342.pdf?src-supplier=Mouser, ComponentLink4Description=https://datasheet.ciiva.com/22673/1697337-22673071.pdf?src-supplier=Element14, ComponentLink4URL=https://datasheet.ciiva.com/22673/1697337-22673071.pdf?src-supplier=Element14, ComponentLink5Description=https://datasheet.ciiva.com/2465/dcrcwe3-2465699.pdf?src-supplier=Digi-Key, ComponentLink5URL=https://datasheet.ciiva.com/2465/dcrcwe3-2465699.pdf?src-supplier=Digi-Key, ComponentLink6Description=https://datasheet.ciiva.com/2465/dcrcwe3-2465701.pdf?src-supplier=Digi-Key, ComponentLink6URL=https://datasheet.ciiva.com/2465/dcrcwe3-2465701.pdf?src-supplier=Digi-Key, ComponentLink7Description=https://datasheet.ciiva.com/26316/fld-crcw-e3-data-en-26316582.pdf?src-supplier=Distrelec, ComponentLink7URL=https://datasheet.ciiva.com/26316/fld-crcw-e3-data-en-26316582.pdf?src-supplier=Distrelec, ComponentLink8Description=https://datasheet.ciiva.com/16781/70201119-16781847.pdf?src-supplier=Allied+Electronics, ComponentLink8URL=https://datasheet.ciiva.com/16781/70201119-16781847.pdf?src-supplier=Allied+Electronics, ComponentLink9Description=https://datasheet.ciiva.com/2465/dcrcwe3-2465700.pdf?src-supplier=Digi-Key, ComponentLink9URL=https://datasheet.ciiva.com/2465/dcrcwe3-2465700.pdf?src-supplier=Digi-Key, ComponentLink10Description=https://datasheet.ciiva.com/16740/dcrcwe3-16740661.pdf?src-supplier=Future+Electronics, ComponentLink10URL=https://datasheet.ciiva.com/16740/dcrcwe3-16740661.pdf?src-supplier=Future+Electronics, Composition="Thick Film", Contact Plating=Tin, Depth=0.85mm, Features="Automotive AEC-Q200", Height=0.45mm, Lead Free="Lead Free", Length=1.55mm, Manufacturer Part Number 1=CRCW060310R0FKEA, Military Standard=Not, Mount="Surface Mount", Number of Pins=2, Number of Terminations=2, Packaging="Tape and Reel", Power Rating=100mW, Pricing 1="1=0.10000, 10=0.03400, 100=0.01390, 1000=0.00623, 2500=0.00540 (USD)", REACH SVHC=Unknown, RoHS=Yes, Stock 1=155545, Supplier 1=Digi-Key, Supplier 2=Mouser, Supplier 3=Newark, Supplier Part Number 2=71-CRCW0603-10-E3, Supplier Part Number 3=61M5338, Termination=SMD/SMT, Voltage Rating (DC)=75V, Weight=7.1E-05oz, Width=0.033inch